# Altium PCB PCB1.PcbDoc (part 4 of 4)
Units mil, origin at the board's own origin, x right, y up, seen from the top; angles counter-clockwise.
Board outline 6000 x 4000 mil, 2 copper layers (Top Layer, Bottom Layer); 926 components, 952 nets, 4644 pads, 239 vias.
Unrouted connection lines stored in the file: 3361.
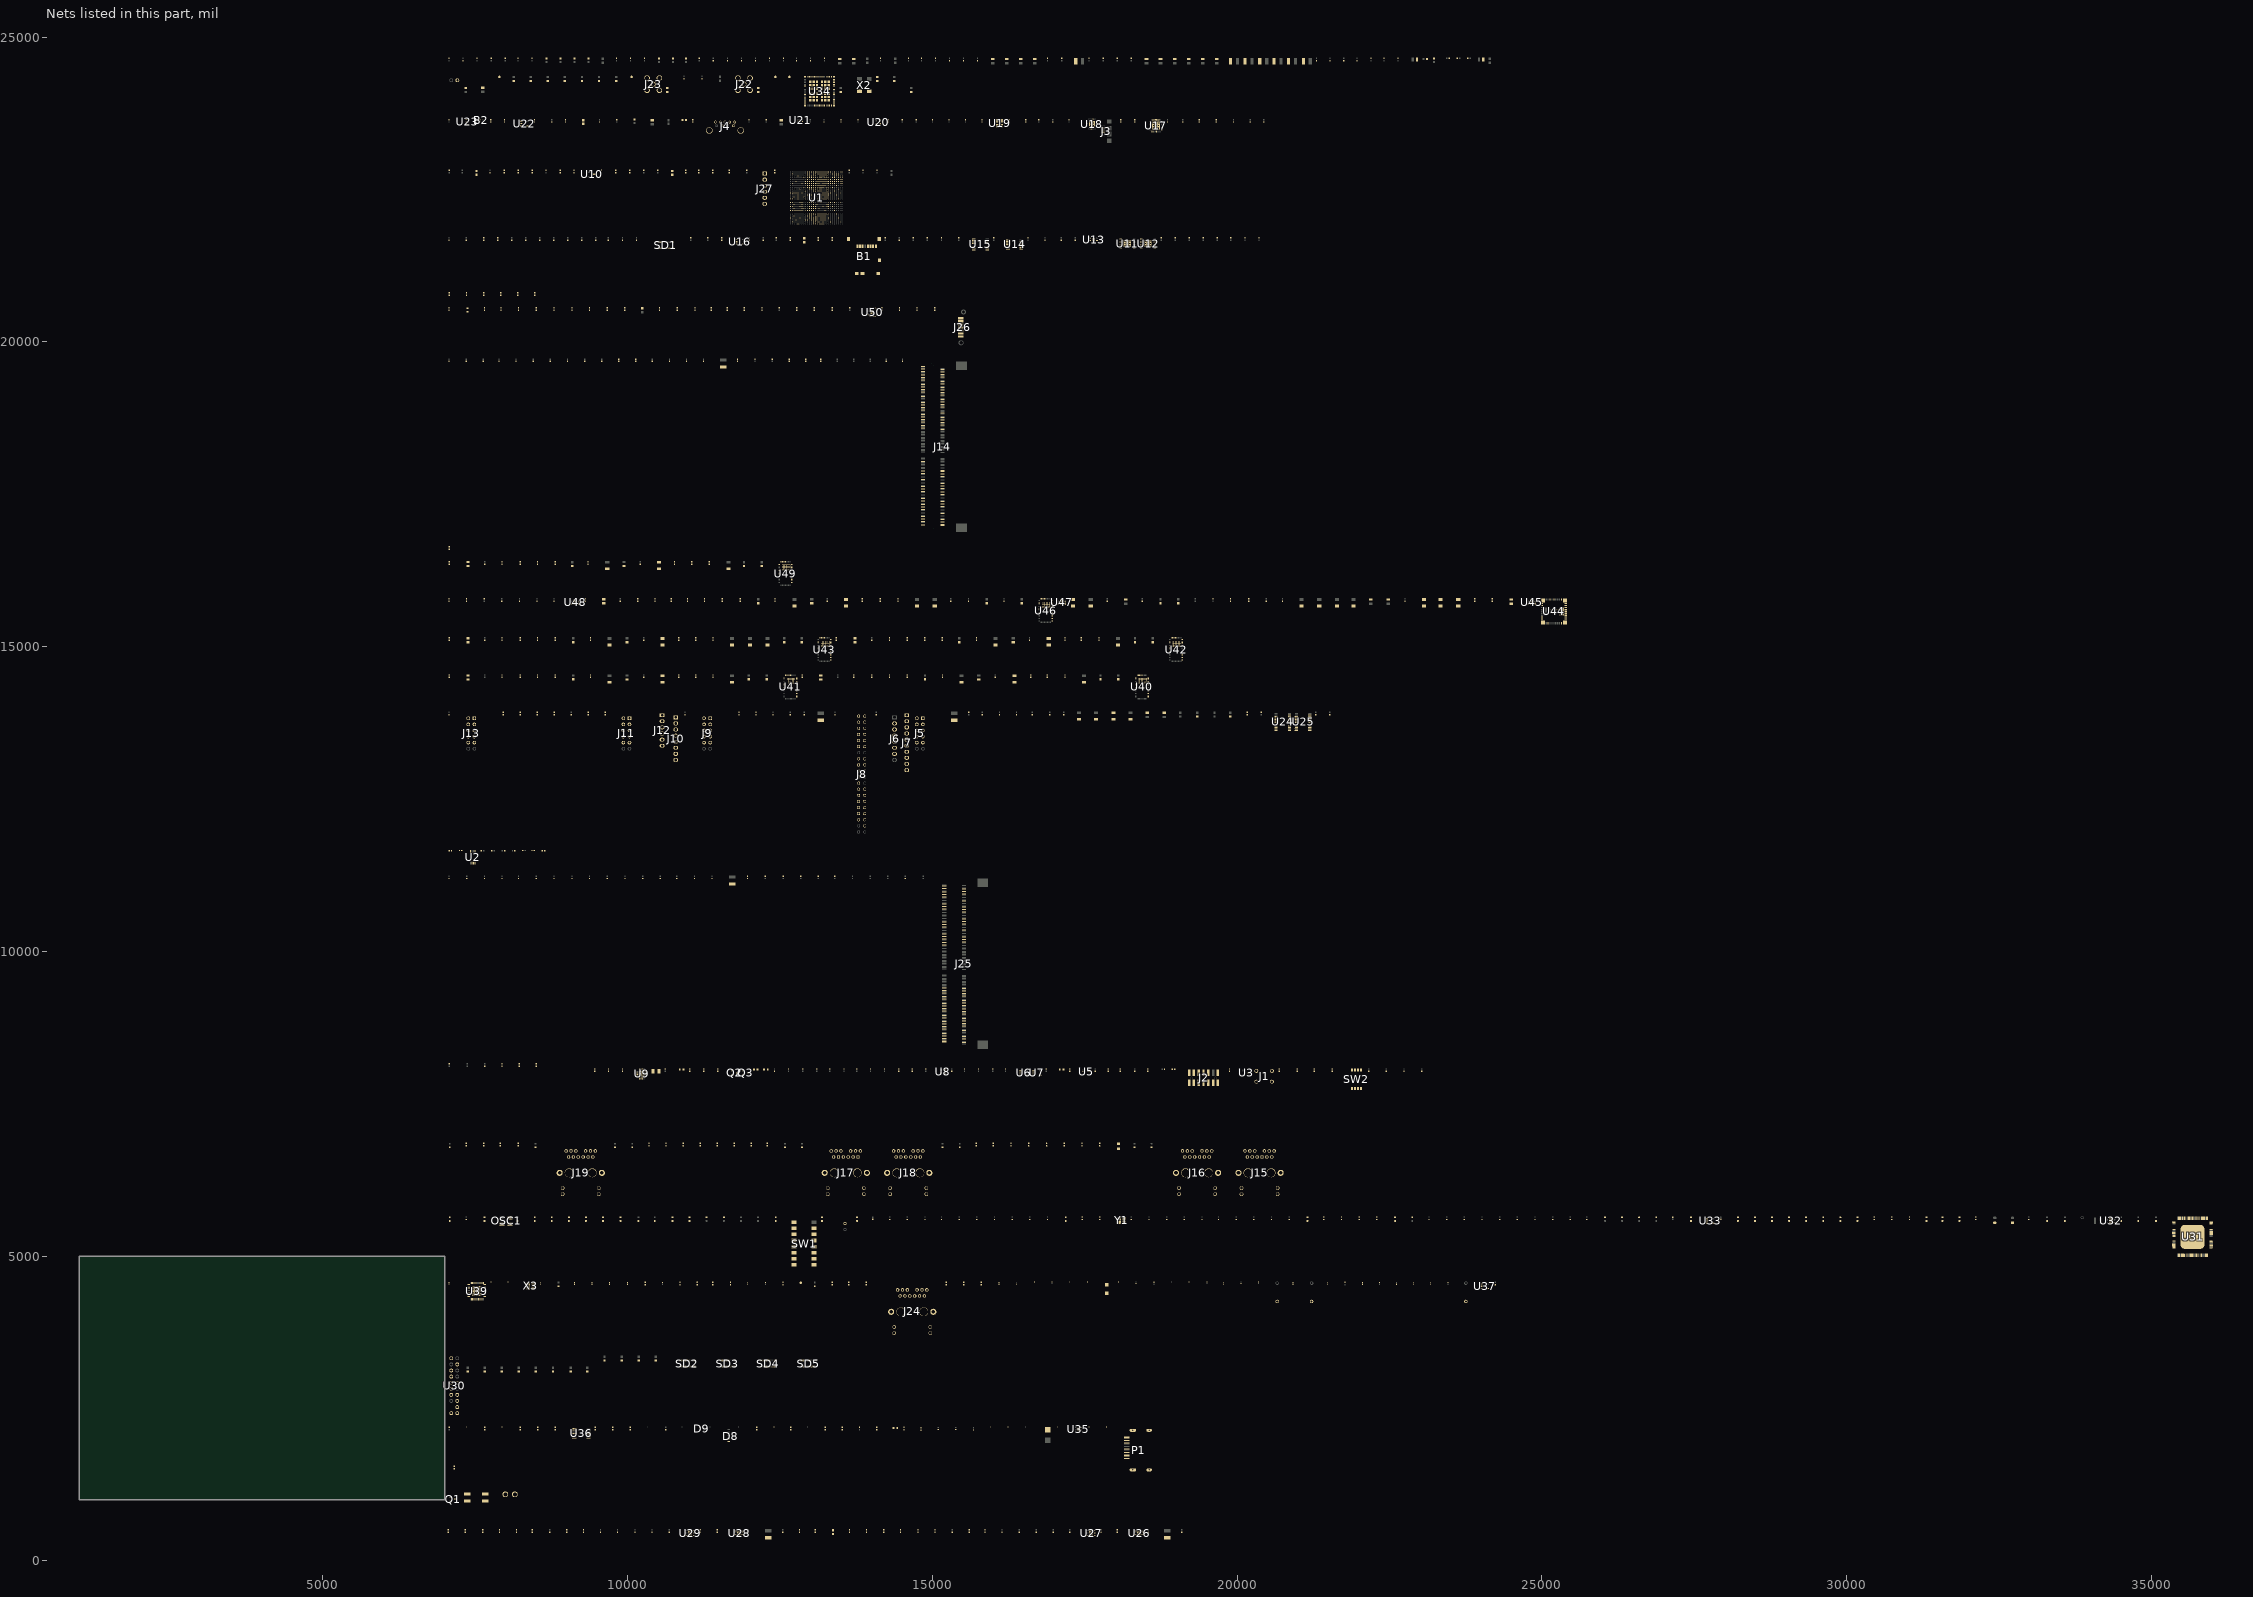
[diagram p4: the nets of this part, all layers, seen from the top]

## Via types
v1: diameter 19.68, hole 7.87, Top Layer to Bottom Layer, 119 vias
v2: diameter 23.62, hole 7.87, Top Layer to Bottom Layer, 96 vias
v3: diameter 23.62, hole 11.81, Top Layer to Bottom Layer, 14 vias
v4: diameter 19.68, hole 11.81, Top Layer to Bottom Layer, 10 vias

## Nets (pads, with @x,y where several pads share a name; then routed paths per layer and width w, separated by ;. In a path a pad name is that pad's centre, name@x,y a point inside that pad or via, vN(x,y) a via of type N, cw(c..) or ccw(c..) an arc to the next point about the centre after c; other vN are vias at no path point) (continued)
DDR4_SODIMM_SA0: J14.256 R112.1
DDR4_SODIMM_SA1: J14.260 R111.1
DDR4_SODIMM_SA2: J14.166 R110.1
DDR4_SODIMM_VREF: C158.2 J14.164 R107.1 R116.2
DDR4_SODIMM_WE_B: J14.151 U1.AB24
DDR4_VDDSPD_2V5: C2.1 C157.2 C182.2 C326.2 FB15.2 J14.255 J25.255 R4.2 R5.2 R6.2 R112.2 U2.8
DP_HPD: R197.1 U1.E13
DP_HPD_R: D9.4 P1.18 R197.2 R199.2
DP_IN: R208.1 U1.E14
DP_OE: R205.1 U1.F13
DP_OUT: R207.1 U1.G13
DP_RE_N: R205.2 U36.1 U36.8
DP_TX2_N: C286.2 D8.12 P1.6
DP_TX2_P: C284.2 D8.10 P1.4
DP_TX3_N: C283.2 D8.9 P1.3
DP_TX3_P: C282.2 D8.7 P1.1
DPAUX_C_N: C297.2 D9.2 P1.17 R209.2
DPAUX_C_P: C296.2 D9.1 P1.15 R206.2
EARTH_ETH: C312.2 FB16.2 J15.0 J16.0 J17.0 J18.0 J19.0 J24.0 R235.1
EMMC0_CLK: R75.2 SD1.8
EMMC0_RCLK: R76.2 SD1.15
EN_VCC_PSINT: R273.1 U42.39 U43.38
ETH_MD1_N: J24.10 U39.2
ETH_MD1_P: J24.11 U39.1
ETH_MD2_N: J24.5 U39.5
ETH_MD2_P: J24.4 U39.4
ETH_MD3_N: J24.2 U39.8
ETH_MD3_P: J24.3 U39.7
ETH_MD4_N: J24.9 U39.11
ETH_MD4_P: J24.8 U39.10
ETH_MISO: R166.2 U1.D14 U31.97
ETH_MOSI: R165.2 U1.D15 U31.98
ETH_PHY_GPIO0: R218.1 R220.1 U39.39
ETH_PHY_GPIO1: R221.1 R222.1 U39.40
ETH_PHY_LED0: J24.13 R217.2 R219.2 U39.46
ETH_PHY_LED1: J24.15 R213.2 R215.2 U39.45
ETH_PHY_LINK: Q1.G R224.1 R225.2 U39.47
ETH_SCLK: U1.C14 U31.101
ETH_SCS: R164.2 U1.C13 U31.100
ETH_SW_RESETN: R160.1 U1.A13 U33.1
GEM3_CLK_OUT: TP6.1 U39.18
GEM3_RST_N: U37.4 U39.43
GND: B1.6 B2.3 C1.1 C2.2 C3.1 C4.2 C5.2 C6.1 C7.1 C8.2 C9.2 C10.2 C11.1 C12.1 C13.1 C14.1 C15.1 C16.1 C17.1 C18.1 C19.1 C20.1 C21.2 C22.2 C23.2 C24.2 C25.2 C26.2 C27.2 C28.2 C29.2 C30.2 C31.2 C32.1 C33.2 C34.2 C35.2 C36.2 C37.2 C38.2 C39.2 C40.2 C41.2 C42.2 C43.2 C44.1 C45.1 C46.1 C47.2 C48.2 C49.2 C50.2 C51.2 C52.1 C53.1 C54.2 C55.2 C56.1 C57.1 C58.1 C59.1 C60.2 C61.2 C62.2 C63.2 C64.2 C65.2 C66.2 C67.2 C68.2 C69.2 C70.2 C71.2 C72.2 C73.2 C74.2 C75.2 C76.1 C77.1 C78.2 C79.2 C80.2 C81.2 C82.2 C83.2 C84.2 C85.2 C86.2 C87.2 C88.2 C89.2 C90.2 C91.2 C96.2 C98.2 C99.2 C100.2 C101.1 C102.2 C103.2 C104.2 C105.1 C106.1 C107.1 C108.2 C109.1 C110.1 C111.1 C112.1 C113.2 C114.1 C115.2 C116.2 C117.2 C118.2 C119.2 C120.2 C121.2 C122.1 C123.2 C124.2 C125.2 C126.2 C127.1 C131.2 C132.2 C133.2 C134.2 C135.1 C136.1 C137.1 C138.1 C139.1 C140.1 C141.1 C142.1 C143.1 C144.1 C145.1 C146.1 C147.1 C148.1 C149.1 C150.1 C151.1 C152.1 C153.1 C154.1 C155.1 C156.1 C157.1 C158.1 C159.1 C160.1 C161.1 C162.1 C163.1 C164.1 C165.1 C166.1 C167.1 C168.1 C169.1 C170.1 C171.1 C172.1 C173.1 C174.1 C175.1 C176.1 C177.1 C178.1 C179.1 C180.1 C181.1 C182.1 C183.1 C184.1 C185.1 C186.1 C187.1 C188.1 C189.1 C190.1 C191.1 C192.1 C193.1 C194.1 C195.1 C196.1 C197.1 C198.1 C199.1 C200.1 C201.1 C202.1 C203.2 C204.2 C205.2 C206.2 C207.2 C208.2 C209.2 C210.2 C211.2 C212.2 C213.2 C214.2 C215.2 C216.2 C217.2 C218.2 C219.2 C220.2 C221.2 C222.2 C223.1 C225.1 C226.1 C227.1 C228.2 C229.1 C230.1 C231.2 C232.2 C233.1 C234.1 C235.1 C236.1 C237.1 C238.1 C239.1 C240.1 C241.1 C242.1 C243.1 C244.1 C245.1 C246.1 C247.1 C248.1 C249.1 C250.1 C251.1 C252.1 C253.1 C254.1 C255.1 C256.1 C257.1 C258.1 C259.1 C260.1 C261.1 C262.1 C263.1 C264.1 C265.1 C266.1 C267.1 C268.1 C269.1 C270.1 C271.1 C272.1 C273.1 C274.1 C275.1 C277.1 C278.1 C280.2 C281.2 C285.1 C288.1 C289.1 C290.1 C291.1 C292.1 C293.1 C294.1 C295.1 C298.2 C299.2 C300.1 C301.2 C302.2 C303.1 C304.1 C305.2 C306.2 C307.2 C308.2 C309.2 C310.2 C311.2 C312.1 C313.2 C314.2 C315.1 C316.1 C317.1 C318.1 C319.1 C320.1 C321.1 C322.1 C323.1 C324.1 C325.1 C326.1 C327.1 C328.1 C329.1 C330.1 C331.1 C332.1 C333.1 C334.1 C335.1 C336.1 C337.1 C338.1 C339.1 C340.1 C341.1 C343.1 C344.2 C347.2 C348.1 C349.1 C350.1 C351.1 C353.1 C354.2 C357.2 C358.1 C359.1 C360.1 C361.1 C363.1 C364.2 C367.2 C368.1 C369.1 C370.1 C371.1 C373.1 C374.1 C375.1 C376.2 C379.2 C380.2 C381.1 C382.1 C383.1 C384.2 C385.2 C386.1 C387.2 C388.2 C389.1 C390.1 C391.1 C392.1 C393.1 C394.1 C396.2 C397.1 C398.1 C399.1 C400.1 C401.1 C402.1 C403.1 C405.1 C406.1 C407.1 C408.2 C409.1 C412.2 C413.1 C414.1 C415.1 C416.1 C417.1 C418.1 C419.1 C421.1 C422.2 C425.2 C434.1 C435.1 C436.1 C437.1 C438.1 C439.1 C440.1 C442.1 C444.1 C445.1 D1.2 D8.2 D8.5 D8.8 D8.11 D9.3 FB6.2 FB7.1 FB8.2 FB10.1 FB16.1 J1.1 J1.2 J2.1 J2.3 J2.5 J2.7 J2.9 J2.11 J2.13 J3.5 J4.7 J5.9 J5.10 J6.6 J6.7 J7.4 J8.6 J8.9 J8.14 J8.20 J8.25 J8.30 J8.34 J8.39 J9.9 J9.10 J11.9 J11.10 J13.9 J13.10 J14.1 J14.2 J14.5 J14.6 J14.9 J14.10 J14.14 J14.15 J14.18 J14.19 J14.22 J14.23 J14.26 J14.27 J14.30 J14.31 J14.35 J14.36 J14.39 J14.40 J14.43 J14.44 J14.47 J14.48 J14.51 J14.52 J14.56 J14.57 J14.60 J14.61 J14.64 J14.65 J14.68 J14.69 J14.72 J14.73 J14.77 J14.78 J14.81 J14.82 J14.85 J14.86 J14.89 J14.90 J14.93 J14.94 J14.98 J14.99 J14.102 J14.103 J14.106 J14.107 J14.167 J14.168 J14.171 J14.172 J14.175 J14.176 J14.180 J14.181 J14.184 J14.185 J14.188 J14.189 J14.192 J14.193 J14.196 J14.197 J14.201 J14.202 J14.205 J14.206 J14.209 J14.210 J14.213 J14.214 J14.217 J14.218 J14.222 J14.223 J14.226 J14.227 J14.230 J14.231 J14.234 J14.235 J14.238 J14.239 J14.243 J14.244 J14.247 J14.248 J14.251 J14.252 J22.2 J23.2 J25.1 J25.2 J25.5 J25.6 J25.9 J25.10 J25.14 J25.15 J25.18 J25.19 J25.22 J25.23 J25.26 J25.27 J25.30 J25.31 J25.35 J25.36 J25.39 J25.40 J25.43 J25.44 J25.47 J25.48 J25.51 J25.52 J25.56 J25.57 J25.60 J25.61 J25.64 J25.65 J25.68 J25.69 J25.72 J25.73 J25.77 J25.78 J25.81 J25.82 J25.85 J25.86 J25.89 J25.90 J25.93 J25.94 J25.98 J25.99 J25.102 J25.103 J25.106 J25.107 J25.167 J25.168 J25.171 J25.172 J25.175 J25.176 J25.180 J25.181 J25.184 J25.185 J25.188 J25.189 J25.192 J25.193 J25.196 J25.197 J25.201 J25.202 J25.205 J25.206 J25.209 J25.210 J25.213 J25.214 J25.217 J25.218 J25.222 J25.223 J25.226 J25.227 J25.230 J25.231 J25.234 J25.235 J25.238 J25.239 J25.243 J25.244 J25.247 J25.248 J25.251 J25.252 J26.1 J26.4 J26.7 J27.3 J27.6 OSC1.3 P1.2 P1.5 P1.8 P1.11 P1.16 P2.2 Q1.S Q2.S Q3.S R18.2 R29.2 R31.2 R32.2 R37.2 R38.2 R59.2 R64.1 R76.1 R79.2 R81.2 R83.2 R87.1 R89.1 R92.1 R108.2 R109.2 R110.2 R111.2 R116.1 R118.2 R123.1 R125.2 R130.1 R131.1 R149.1 R156.2 R157.2 R158.2 R159.2 R161.2 R169.1 R171.2 R183.1 R184.1 R193.1 R194.1 R195.1 R198.1 R199.1 R200.1 R202.1 R206.1 R212.2 R215.1 R216.2 R219.1 R220.2 R222.2 R225.1 R234.1 R235.2 R243.1 R246.2 R248.2 R249.2 R250.2 R251.2 R252.2 R256.1 R260.1 R262.2 R266.1 R268.2 R272.1 R274.2 R278.1 R280.2 R282.1 R290.1 R292.1 R294.2 R298.1 R302.1 R304.2 R306.1 R311.1 R312.1 R326.2 R327.2 R328.2 R329.2 SD1.1 SD1.3 SD1.5 SD1.7 SD1.9 SD1.11 SD1.13 SD1.14 SD1.16 SD1.17 SD1.18 SD1.19 SD1.24 SD1.26 SD1.28 SD1.30 SD1.32 SD1.34 SD2.1 SD2.3 SD2.5 SD2.7 SD2.9 SD2.11 SD2.13 SD2.14 SD2.16 SD2.17 SD2.18 SD2.19 SD2.24 SD2.26 SD2.28 SD2.30 SD2.32 SD2.34 SD3.1 SD3.3 SD3.5 SD3.7 SD3.9 SD3.11 SD3.13 SD3.14 SD3.16 SD3.17 SD3.18 SD3.19 SD3.24 SD3.26 SD3.28 SD3.30 SD3.32 SD3.34 SD4.1 SD4.3 SD4.5 SD4.7 SD4.9 SD4.11 SD4.13 SD4.14 SD4.16 SD4.17 SD4.18 SD4.19 SD4.24 SD4.26 SD4.28 SD4.30 SD4.32 SD4.34 SD5.1 SD5.3 SD5.5 SD5.7 SD5.9 SD5.11 SD5.13 SD5.14 SD5.16 SD5.17 SD5.18 SD5.19 SD5.24 SD5.26 SD5.28 SD5.30 SD5.32 SD5.34 SW1.9 SW1.10 SW1.11 SW1.12 SW1.13 SW1.14 SW1.15 U1.A20 U1.A24 U1.A27 U1.A28 U1.AA1 U1.AA2 U1.AA3 U1.AA4 U1.AA5 U1.AA6 U1.AA9 U1.AA19 U1.AA24 U1.AB12 U1.AB27 U1.AC15 U1.AC20 U1.AC25 U1.AD3 U1.AD18 U1.AE1 U1.AE6 U1.AE11 U1.AE21 U1.AE26 U1.AF4 U1.AF9 U1.AF14 U1.AF19 U1.AG2 U1.AG22 U1.AG27 U1.AH5 U1.B2 U1.B17 U1.B21 U1.B25 U1.B26 U1.C5 U1.C10 U1.C20 U1.C24 U1.C27 U1.C28 U1.D8 U1.D13 U1.D21 U1.D26 U1.E16 U1.E20 U1.E24 U1.E27 U1.E28 U1.F4 U1.F9 U1.F19 U1.F21 U1.F25 U1.F26 U1.G2 U1.G7 U1.G12 U1.G22 U1.G23 U1.G24 U1.G27 U1.G28 U1.H10 U1.H15 U1.H25 U1.J8 U1.J13 U1.J18 U1.J23 U1.K6 U1.K11 U1.K16 U1.K21 U1.K26 U1.L9 U1.L24 U1.M1 U1.M2 U1.M3 U1.M4 U1.M5 U1.M7 U1.M22 U1.M27 U1.N5 U1.N10 U1.N12 U1.N14 U1.N20 U1.N25 U1.P3 U1.P5 U1.P8 U1.P11 U1.R1 U1.R2 U1.R5 U1.R15 U1.R21 U1.R26 U1.T3 U1.T5 U1.T9 U1.T10 U1.T14 U1.T19 U1.U1 U1.U2 U1.U6 U1.U11 U1.U17 U1.U21 U1.U22 U1.U27 U1.V3 U1.V7 U1.V13 U1.V15 U1.V20 U1.V21 U1.W1 U1.W2 U1.W6 U1.W18 U1.W21 U1.W23 U1.Y3 U1.Y7 U1.Y11 U1.Y16 U1.Y21 U2.4 U5.2 U5.5 U6.3 U7.3 U8.2 U9.4 U9.5 U9.17 U11.4 U11.9 U12.4 U12.9 U13.1 U13.2 U13.3 U13.4 U13.7 U13.9 U14.1 U14.2 U14.7 U15.1 U15.2 U15.3 U15.8 U16.3 U17.33 U18.2 U18.25 U19.1 U20.2 U21.3 U22.3 U23.3 U23.8 U24.12 U25.12 U26.4 U26.8 U26.11 U27.4 U27.8 U27.11 U28.4 U28.8 U28.11 U29.4 U29.8 U29.11 U30.2 U30.12 U30.17 U31.46 U31.47 U31.69 U31.75 U31.77 U31.80 U31.107 U31.109 U31.123 U31.EP U32.8 U32.12 U32.13 U33.3 U34.1 U34.7 U34.9 U34.15 U34.16 U34.17 U34.19 U34.20 U34.23 U34.24 U34.28 U34.29 U34.30 U34.31 U34.33 U34.34 U34.35 U34.37 U34.39 U34.44 U34.45 U34.48 U34.49 U34.54 U34.55 U34.59 U34.61 U34.63 U34.64 U34.G1 U34.G2 U34.G3 U34.G4 U34.G5 U34.G6 U34.G7 U34.G8 U34.G9 U34.G10 U34.G11 U34.G12 U34.G13 U34.G14 U34.G15 U34.G16 U34.G17 U34.G18 U34.G19 U34.G20 U34.G21 U34.G22 U34.G23 U34.G24 U34.G25 U34.G26 U34.G27 U34.G28 U34.G29 U34.G30 U34.G31 U34.G32 U34.G33 U34.G34 U34.G35 U34.G36 U35.2 U35.4 U35.9 U36.7 U37.3 U39.49 U40.21 U40.22 U40.23 U40.24 U40.25 U40.26 U40.27 U40.46 U40.55 U41.21 U41.22 U41.23 U41.24 U41.25 U41.26 U41.27 U41.46 U41.55 U42.21 U42.22 U42.23 U42.24 U42.25 U42.26 U42.27 U42.46 U42.55 U43.21 U43.22 U43.23 U43.24 U43.25 U43.26 U43.27 U43.46 U43.55 U44.20 U44.21 U44.31 U44.32 U44.33 U45.4 U45.8 U45.11 U46.21 U46.22 U46.23 U46.24 U46.25 U46.26 U46.27 U46.46 U46.55 U47.4 U47.8 U47.11 U48.4 U48.8 U48.11 U49.21 U49.22 U49.23 U49.24 U49.25 U49.26 U49.27 U49.46 U49.55 U50.25 X2.2 X3.2 X3.4 Y1.2
  other v1: 11025,421.22 17605,421.22 11005.71,454.69 11044.29,454.69 17585.71,454.69 17624.29,454.69 11025,488.15 17605,488.15 7460.04,4360.04 7503.35,4360.04 7546.65,4360.04 7589.96,4360.04 7460.04,4403.35 7503.35,4403.35 7546.65,4403.35 7589.96,4403.35 7460.04,4446.65 7503.35,4446.65 7546.65,4446.65 7589.96,4446.65 7460.04,4489.96 7503.35,4489.96 7546.65,4489.96 7589.96,4489.96 10208.35,7968.35 10251.65,7968.35 10208.35,8011.65 10251.65,8011.65 12621.18,14400.14 12739.29,14400.14 18391.18,14400.14 18509.29,14400.14 12621.18,14423.76 12739.29,14423.76 18391.18,14423.76 18509.29,14423.76 12621.18,14447.38 12739.29,14447.38 18391.18,14447.38 18509.29,14447.38 12621.18,14471 12739.29,14471 18391.18,14471 18509.29,14471 13181.18,15010.14 13299.29,15010.14 18951.18,15010.14 19069.29,15010.14 13181.18,15033.76 13299.29,15033.76 18951.18,15033.76 19069.29,15033.76 13181.18,15057.38 13299.29,15057.38 18951.18,15057.38 19069.29,15057.38 13181.18,15081 13299.29,15081 18951.18,15081 19069.29,15081 16811.18,15650.14 16929.29,15650.14 16811.18,15673.76 16929.29,15673.76 9140,15696.54 16811.18,15697.38 16929.29,15697.38 17125,15696.54 24835,15696.54 16811.18,15721 16929.29,15721 9120.71,15730 9159.29,15730 17105.71,15730 17144.29,15730 24815.71,15730 24854.29,15730 9140,15763.46 17125,15763.46 24835,15763.46 12541.18,16260.14 12659.29,16260.14 12541.18,16283.76 12659.29,16283.76 12541.18,16307.38 12659.29,16307.38 12541.18,16331 12659.29,16331 18160.63,21575.63 18200,21575.63 18239.37,21575.63 18500.63,21575.63 18540,21575.63 18579.37,21575.63 18160.63,21615 18200,21615 18239.37,21615 18500.63,21615 18540,21615 18579.37,21615 18160.63,21654.37 18200,21654.37 18239.37,21654.37 18500.63,21654.37 18540,21654.37 18579.37,21654.37 18626.69,23506.69 18670,23506.69 18713.31,23506.69 18626.69,23550 18670,23550 18713.31,23550 17598.35,23553.35 17641.65,23553.35 18626.69,23593.31 18670,23593.31 18713.31,23593.31 17598.35,23596.65 17641.65,23596.65
  other v2: 12644.8,14400.14 12668.43,14400.14 12692.05,14400.14 12715.67,14400.14 18414.8,14400.14 18438.43,14400.14 18462.05,14400.14 18485.67,14400.14 12644.8,14423.76 12668.43,14423.76 12692.05,14423.76 12715.67,14423.76 18414.8,14423.76 18438.43,14423.76 18462.05,14423.76 18485.67,14423.76 12644.8,14447.38 12668.43,14447.38 12692.05,14447.38 12715.67,14447.38 18414.8,14447.38 18438.43,14447.38 18462.05,14447.38 18485.67,14447.38 12644.8,14471 12668.43,14471 12692.05,14471 12715.67,14471 18414.8,14471 18438.43,14471 18462.05,14471 18485.67,14471 13204.8,15010.14 13228.43,15010.14 13252.05,15010.14 13275.67,15010.14 18974.8,15010.14 18998.43,15010.14 19022.05,15010.14 19045.67,15010.14 13204.8,15033.76 13228.43,15033.76 13252.05,15033.76 13275.67,15033.76 18974.8,15033.76 18998.43,15033.76 19022.05,15033.76 19045.67,15033.76 13204.8,15057.38 13228.43,15057.38 13252.05,15057.38 13275.67,15057.38 18974.8,15057.38 18998.43,15057.38 19022.05,15057.38 19045.67,15057.38 13204.8,15081 13228.43,15081 13252.05,15081 13275.67,15081 18974.8,15081 18998.43,15081 19022.05,15081 19045.67,15081 16834.8,15650.14 16858.43,15650.14 16882.05,15650.14 16905.67,15650.14 16834.8,15673.76 16858.43,15673.76 16882.05,15673.76 16905.67,15673.76 16834.8,15697.38 16858.43,15697.38 16882.05,15697.38 16905.67,15697.38 16834.8,15721 16858.43,15721 16882.05,15721 16905.67,15721 12564.8,16260.14 12588.43,16260.14 12612.05,16260.14 12635.67,16260.14 12564.8,16283.76 12588.43,16283.76 12612.05,16283.76 12635.67,16283.76 12564.8,16307.38 12588.43,16307.38 12612.05,16307.38 12635.67,16307.38 12564.8,16331 12588.43,16331 12612.05,16331 12635.67,16331
  other v4: 11810.32,420.16 11849.69,420.16 18375.32,420.16 18414.69,420.16 11830,449.69 18395,449.69 11810.32,479.21 11849.69,479.21 18375.32,479.21 18414.69,479.21
GND_SYSMON: C92.2 C93.2 C94.2 C97.1 FB6.1 FB7.2 R41.2 U1.P13 U1.R12 U1.W20 U10.3
GPIO_0: J5.1 J7.1 J8.3 U24.4
GPIO_1: J5.3 J7.2 J8.5 U24.5
GPIO_2: J5.5 J7.5 J8.7 U24.6
GPIO_3: J5.7 J7.6 J8.29 U24.7
GPIO_4: J5.2 J7.7 J8.31 U24.8
GPIO_5: J5.4 J7.8 J8.26 U24.9
GPIO_6: J5.6 J7.9 J8.24 U24.10
GPIO_7: J5.8 J7.10 J8.21 U24.11
GPIO_8: J8.19 J9.1 J10.1 U24.13
GPIO_9: J8.23 J9.3 J10.2 U24.14
GPIO_10: J8.32 J9.5 J10.3 U24.15
GPIO_11: J8.33 J9.7 J10.4 U24.16
GPIO_12: J8.8 J9.2 J10.5 U24.17
GPIO_13: J8.10 J9.4 J10.6 U24.18
GPIO_14: J8.36 J9.6 J10.7 U24.19
GPIO_15: J8.11 J9.8 J10.8 U24.20
GPIO_16: J8.12 J11.1 R101.1 U25.4
GPIO_17: J8.35 J11.3 R102.1 U25.5
GPIO_18: J8.38 J11.5 R103.1 U25.6
GPIO_19: J8.40 J11.7 R104.1 U25.7
GPIO_20: J8.15 J11.2 R105.1 U25.8
GPIO_21: J8.16 J11.4 R106.1 U25.9
GPIO_22: J6.3 J8.18 J11.6 R97.1 U25.10
GPIO_23: J8.22 J11.8 U25.11
GPIO_24: J8.37 J13.1 U25.13
GPIO_25: J8.13 J13.3 U25.14
GPIO_26: J13.5 U25.15
GPIO_27: J13.7 U25.16
GPIO_28: J13.2 U25.17
GPIO_29: J13.4 U25.18
GPIO_30: J13.6 U25.19
GPIO_31: J13.8 U25.20
GRXCK: R150.2 U1.J16
GRXCTL: R151.2 U1.J17
GRXD0: R155.2 R159.1 R172.1 U1.L16
GRXD1: R154.2 R158.1 U1.L17
GRXD2: R153.2 R157.1 U1.H17
GRXD3: R152.2 R156.1 U1.K17
GTR_REFCLK0_C_N: C431.1 U1.F24
GTR_REFCLK0_C_P: C430.1 U1.F23
GTR_REFCLK0_N: C431.2 U50.19
GTR_REFCLK0_P: C430.2 U50.20
GTR_REFCLK1_C_N: C433.1 U1.E22
GTR_REFCLK1_C_P: C432.1 U1.E21
GTR_REFCLK1_N: C433.2 U50.16
GTR_REFCLK1_P: C432.2 U50.17
GTR_REFCLK3_C_N: C443.1 U1.A22
GTR_REFCLK3_C_P: C441.1 U1.A21
GTR_REFCLK3_N: C443.2 U50.13
GTR_REFCLK3_P: C441.2 U50.14
GTR_RX0_N: J4.5 U1.F28 U23.2 U23.9
GTR_RX0_P: J4.6 U1.F27 U23.1 U23.10
GTR_RX1_N: C428.1 U1.D28
GTR_RX1_P: C429.1 U1.D27
GTR_TX0_N: C129.1 U1.E26
GTR_TX0_P: C130.1 U1.E25
GTR_TX1_N: C427.1 U1.D24
GTR_TX1_P: C426.1 U1.D23
GTR_TX2_N: C286.1 U1.C26
GTR_TX2_P: C284.1 U1.C25
GTR_TX3_N: C283.1 U1.B24
GTR_TX3_P: C282.1 U1.B23
GTXCK: U1.L15 U31.48
GTXCTL: U1.H16 U31.49
GTXD0: U1.J15 U31.55
GTXD1: U1.K15 U31.54
GTXD2: U1.G16 U31.53
GTXD3: U1.F16 U31.52
I2CMUX_RST_N: U14.3 U16.4
IBA_EN: SW1.1 U31.67
ID: U1.G15 U30.14
INTRP_N: R163.2 U1.A14 U31.94
ISET: R169.2 U31.127
JTAG_INIT: J2.14 R7.1
JTAG_TCK: J2.6 R11.1 U1.R19
JTAG_TDI: J2.10 U1.R18
JTAG_TDO: J2.8 U1.T21
JTAG_TMS: J2.4 U1.N21
LAD0: U1.H13 U30.11
LAD1: U1.G14 U30.10
LAD2: U1.H14 U30.8
LAD3: U1.K14 U30.7
LCLK: U1.L13 U30.1
LED1_0: J16.13 R175.1 U31.105
LED1_1: J16.15 R176.1 U31.106
LED2_0: J17.13 R173.1 U31.91
LED2_1: J17.15 R177.1 U31.92
LED3_0: J19.13 U31.88
LED3_1: J19.15 U31.89
LED4_0: J15.13 R174.1 U31.85
LED4_1: J15.15 R178.1 U31.86
LED5_0: J18.13 U31.102
LED5_1: J18.15 R179.1 U31.103
LFRAME: U1.L14 U30.3
LRESET: U1.J14 U30.5
MGTRAVCC_GOOD: R303.1 U40.38 U41.38 U45.5 U49.39
MIO0_QSPI0_SCLK: U1.AG15 U11.6
MIO1_QSPI0_IO1: U1.AG16 U11.2
MIO2_QSPI0_IO2: R44.2 U1.AF15 U11.3
MIO3_QSPI0_IO3: R45.2 U1.AH15 U11.7
MIO4_QSPI0_IO0: U1.AH16 U11.5
MIO5_QSPI0_SS_B: R43.2 U1.AD16 U11.1
MIO7_QSPI1_SS_B: R46.2 U1.AH17 U12.1
MIO8_QSPI1_IO0: U1.AF17 U12.5
MIO9_QSPI1_IO1: U1.AC16 U12.2
MIO10_QSPI1_IO2: R47.2 U1.AD17 U12.3
MIO11_QSPI1_IO3: R48.2 U1.AE17 U12.7
MIO12_QSPI1_SCLK: U1.AC17 U12.6
MIO13_EMMC0_IO0: R65.1 SD1.6 U1.AH18
MIO14_EMMC0_IO1: R66.1 SD1.29 U1.AG18
MIO15_EMMC0_IO2: R67.1 SD1.27 U1.AE18
MIO16_EMMC0_IO3: R68.1 SD1.10 U1.AF18
MIO17_EMMC0_IO4: R69.1 SD1.4 U1.AC18
MIO18_EMMC0_IO5: R70.1 SD1.2 U1.AC19
MIO19_EMMC0_IO6: R71.1 SD1.33 U1.AE19
MIO20_EMMC0_IO7: R72.1 SD1.31 U1.AD19
MIO21_EMMC0_CMD: R74.1 SD1.25 U1.AC21
MIO22_EMMC0_CLK: R75.1 U1.AB20
MIO23_INT_N: U1.AB18 U15.13
MIO24_I2C1_SCL: R49.1 U1.AB19 U13.6 U14.12 U15.14
MIO25_I2C1_SDA: R50.1 U1.AB21 U13.5 U14.13 U15.15
MIO52_USB0_CLK: U1.G18 U17.1
MIO53_USB0_DIR: U1.D16 U17.31
MIO54_USB0_D2: U1.F17 U17.5
MIO55_USB0_NXT: U1.B16 U17.2
MIO56_USB0_D0: U1.C16 U17.3
MIO57_USB0_D1: U1.A16 U17.4
MIO58_USB0_STP: U1.F18 U17.29
MIO59_USB0_D3: U1.E17 U17.6
MIO60_USB0_D4: U1.C17 U17.7
MIO61_USB0_D5: U1.D17 U17.9
MIO62_USB0_D6: U1.A17 U17.10
MIO63_USB0_D7: U1.E18 U17.13
MIO64_GEM3_TX_CLK: R226.1 U1.E19
MIO64_GEM3_TX_CLK_1: R226.2 U39.29
MIO65_GEM3_TX_D0: R231.1 U1.A18
MIO65_GEM3_TX_D0_1: R231.2 U39.28
MIO66_GEM3_TX_D1: R230.1 U1.G19
MIO66_GEM3_TX_D1_1: R230.2 U39.27
MIO67_GEM3_TX_D2: R229.1 U1.B18
MIO67_GEM3_TX_D2_1: R229.2 U39.26
MIO68_GEM3_TX_D3: R228.1 U1.C18
MIO68_GEM3_TX_D3_1: R228.2 U39.25
MIO69_GEM3_TX_CTL: R227.1 U1.D19
MIO69_GEM3_TX_CTL_1: R227.2 U39.37
MIO70_GEM3_RX_CLK: U1.C19 U39.32
MIO71_GEM3_RX_D0: R211.1 R212.1 U1.B19 U39.33
MIO72_GEM3_RX_D1: U1.G20 U39.34
MIO73_GEM3_RX_D2: R214.1 R216.1 U1.G21 U39.35
MIO74_GEM3_RX_D3: U1.D20 U39.36
MIO75_GEM3_RX_CTL: R233.2 R234.2 U1.A19 U39.38
MIO76_GEM3_MDC: U1.B20 U39.16
MIO77_GEM3_MDIO: R236.2 U1.F20 U39.17
NetB1_9: B1.9 R58.1
NetB1_10: B1.10 R59.1
NetB1_MP: B1.MP FB8.1
NetC3_2: C3.2 R6.1 U2.5
NetC79_1: C79.1 R11.2
NetC87_1: C87.1 U9.16
NetC88_1: C88.1 U9.15
NetC89_1: C89.1 U9.14
NetC108_1: C108.1 C109.2 R77.1 U17.28 U17.30
NetC115_1: C115.1 U18.16
NetC120_1: C120.1 R84.2 U20.1
NetC131_1: C131.1 J4.MH1 J4.MH2 R89.2
NetC146_2: C146.2 J6.5 R100.1
NetC147_2: C147.2 J6.4 R99.1
NetC170_2: C170.2 R117.1 R118.1 U26.1
NetC179_2: C179.2 U27.6
NetC184_2: C184.2 R124.1 R125.1 U28.1
NetC193_2: C193.2 U29.6
NetC203_1: C203.1 J15.12
NetC204_1: C204.1 J16.12
NetC205_1: C205.1 J15.6
NetC206_1: C206.1 J16.6
NetC207_1: C207.1 J15.1
NetC208_1: C208.1 J16.1
NetC209_1: C209.1 J15.7
NetC210_1: C210.1 J16.7
NetC211_1: C211.1 J17.12
NetC212_1: C212.1 J18.12
NetC213_1: C213.1 J17.6
NetC214_1: C214.1 J18.6
NetC215_1: C215.1 J17.1
NetC216_1: C216.1 J18.1
NetC217_1: C217.1 J17.7
NetC218_1: C218.1 J18.7
NetC219_1: C219.1 J19.12
NetC220_1: C220.1 J19.6
NetC221_1: C221.1 J19.1
NetC222_1: C222.1 J19.7
NetC224_1: C224.1 R148.1 R149.2 U32.6
NetC228_1: C228.1 R147.1 U32.4
NetC229_2: C229.2 U32.7
NetC230_2: C230.2 C231.1 R146.1 U32.9
NetC258_2: C258.2 R168.2 Y1.1
NetC276_1: C276.1 U34.32
NetC276_2: C276.2 J22.1
NetC279_1: C279.1 U34.18
NetC279_2: C279.2 J23.1
NetC287_1: C287.1 U35.7
NetC287_2: C287.2 D6.2 U35.8
NetC296_1: C296.1 R204.1 U36.10 U36.12
NetC297_1: C297.1 R203.1 U36.9 U36.11
NetC310_1: C310.1 J24.12
NetC311_1: C311.1 J24.6
NetC313_1: C313.1 J24.1
NetC314_1: C314.1 J24.7
NetC315_2: C315.2 U39.15 X3.1
NetC316_2: C316.2 U39.14 X3.3
NetC340_2: C340.2 C341.2 C342.2 FB22.1 FB23.1 FB24.1 R258.2 U40.10 U40.11 U40.12 U40.13 U40.14 U40.15 U40.16 U40.17
NetC342_1: C342.1 R259.2
NetC344_1: C344.1 R257.1 U40.47
NetC345_1: C345.1 U40.32
NetC345_2: C345.2 U40.33
NetC346_1: C346.1 U40.34
NetC346_2: C346.2 U40.35
NetC347_1: C347.1 U40.43
NetC350_2: C350.2 C351.2 C352.2 FB25.1 FB26.1 FB27.1 R264.2 U41.10 U41.11 U41.12 U41.13 U41.14 U41.15 U41.16 U41.17
NetC352_1: C352.1 R265.2
NetC354_1: C354.1 R263.1 U41.47
NetC355_1: C355.1 U41.32
NetC355_2: C355.2 U41.33
NetC356_1: C356.1 U41.34
NetC356_2: C356.2 U41.35
NetC357_1: C357.1 U41.43
NetC360_2: C360.2 C361.2 C362.2 FB28.1 FB29.1 FB30.1 R270.2 U42.10 U42.11 U42.12 U42.13 U42.14 U42.15 U42.16 U42.17
NetC362_1: C362.1 R271.2
NetC364_1: C364.1 R269.1 U42.47
NetC365_1: C365.1 U42.32
NetC365_2: C365.2 U42.33
NetC366_1: C366.1 U42.34
NetC366_2: C366.2 U42.35
NetC367_1: C367.1 U42.43
NetC370_2: C370.2 C371.2 C372.2 FB31.1 FB32.1 FB33.1 R276.2 U43.10 U43.11 U43.12 U43.13 U43.14 U43.15 U43.16 U43.17
NetC372_1: C372.1 R277.2
NetC376_1: C376.1 R275.1 U43.47
NetC377_1: C377.1 U43.32
NetC377_2: C377.2 U43.33
NetC378_1: C378.1 U43.34
NetC378_2: C378.2 U43.35
NetC379_1: C379.1 U43.43
NetC394_2: C394.2 U45.6
NetC395_2: C395.2 U44.28
NetC402_2: C402.2 C403.2 C404.2 FB36.1 FB37.1 FB38.1 R287.2 U46.10 U46.11 U46.12 U46.13 U46.14 U46.15 U46.16 U46.17
NetC404_1: C404.1 R289.2
NetC408_1: C408.1 R286.1 U46.47
NetC409_2: C409.2 U47.6
NetC410_1: C410.1 U46.32
NetC410_2: C410.2 U46.33
NetC411_1: C411.1 U46.34
NetC411_2: C411.2 U46.35
NetC412_1: C412.1 U46.43
NetC415_2: C415.2 U48.6
NetC418_2: C418.2 C419.2 C420.2 FB39.1 FB40.1 FB41.1 R300.2 U49.10 U49.11 U49.12 U49.13 U49.14 U49.15 U49.16 U49.17
NetC420_1: C420.1 R301.2
NetC422_1: C422.1 R299.1 U49.47
NetC423_1: C423.1 U49.32
NetC423_2: C423.2 U49.33
NetC424_1: C424.1 U49.34
NetC424_2: C424.2 U49.35
NetC425_1: C425.1 U49.43
NetD1_1: D1.1 R13.1
NetD2_1: D2.1 R23.2
NetD2_2: D2.2 Q2.D
NetD3_1: D3.1 R24.2
NetD3_2: D3.2 Q3.D
NetD4_1: D4.1 R25.1
NetD5_1: D5.1 R86.2
NetD5_2: D5.2 U21.2
NetD7_1: D7.1 R196.2
NetD7_2: D7.2 U35.5
NetD10_1: D10.1 R223.2
NetD10_2: D10.2 Q1.D
NetJ2_2: J2.2 U3.3
NetJ6_2: J6.2 R96.2
NetJ7_3: J7.3 R98.1
NetJ12_1: J12.1 R101.2
NetJ12_2: J12.2 R102.2
NetJ12_3: J12.3 R103.2
NetJ12_4: J12.4 R104.2
NetJ12_5: J12.5 R105.2
NetJ12_6: J12.6 R106.2
NetJ15_14: J15.14 R136.1
NetJ15_16: J15.16 R138.1
NetJ16_14: J16.14 R137.1
NetJ16_16: J16.16 R139.1
NetJ17_14: J17.14 R140.1
NetJ17_16: J17.16 R142.1
NetJ18_14: J18.14 R141.1
NetJ18_16: J18.16 R143.1
NetJ19_14: J19.14 R144.1
NetJ19_16: J19.16 R145.1
NetJ20_2: J20.2 R172.2
NetJ21_2: J21.2 U34.46 U34.47
NetJ24_14: J24.14 R232.1
NetJ24_16: J24.16 R241.1
NetOSC1_1: OSC1.1 R180.1
NetOSC1_4: OSC1.4 R181.1
NetP1_13: P1.13 R194.2
NetP1_14: P1.14 R195.2
NetP1_19: P1.19 R198.2
NetR13_2: R13.2 U5.3
NetR15_1: R15.1 R18.1 U9.2 U9.3
NetR16_2: R16.2 U8.1
NetR17_1: R17.1 U8.3
NetR26_2: R26.2 U9.13
NetR52_2: R52.2 U14.4
NetR53_2: R53.2 U14.9
NetR54_2: R54.2 U14.10
NetR56_2: R56.2 U14.8
NetR78_2: R78.2 R79.1 U18.8
NetR80_2: R80.2 U18.9
NetR82_1: R82.1 U17.26
NetR82_2: R82.2 U20.3
NetR83_1: R83.1 U17.24
NetR87_2: R87.2 U21.5
NetR92_2: R92.2 U24.21
NetR93_2: R93.2 U25.21
NetR94_1: R94.1 U24.3
NetR95_1: R95.1 U25.3
NetR121_1: R121.1 R123.2 U27.7
NetR128_1: R128.1 R130.2 U29.7
NetR150_1: R150.1 U31.57
NetR151_1: R151.1 U31.58
NetR152_1: R152.1 U31.62
NetR153_1: R153.1 U31.63
NetR154_1: R154.1 U31.64
NetR155_1: R155.1 U31.65
NetR161_1: R161.1 U31.76
NetR167_1: R167.1 U31.95
NetR170_1: R170.1 R171.1 Y1.4
NetR173_2: R173.2 SW1.2
NetR174_2: R174.2 SW1.3
NetR175_2: R175.2 SW1.4
NetR176_2: R176.2 SW1.5
NetR177_2: R177.2 SW1.6
NetR178_2: R178.2 SW1.7
NetR179_2: R179.2 SW1.8
NetR192_1: R192.1 R193.2 U35.6
NetR201_1: R201.1 R202.2 R203.2 R204.2
NetR207_2: R207.2 U36.2
NetR208_2: R208.2 U36.4
NetR237_1: R237.1 U39.20
NetR238_1: R238.1 U39.21
NetR239_1: R239.1 U39.22
NetR240_1: R240.1 U39.23
NetR243_2: R243.2 U39.12
NetR244_1: R244.1 U1.Y8
NetR258_1: R258.1 R259.1 R260.2 U40.44
NetR262_1: R262.1 U40.36
NetR264_1: R264.1 R265.1 R266.2 U41.44
NetR268_1: R268.1 U41.36
NetR270_1: R270.1 R271.1 R272.2 U42.44
NetR274_1: R274.1 U42.36
NetR276_1: R276.1 R277.1 R278.2 U43.44
NetR280_1: R280.1 U43.36
NetR281_1: R281.1 R282.2 U45.7
NetR284_1: R284.1 U44.26
NetR285_1: R285.1 U44.22
NetR287_1: R287.1 R289.1 R291.2 U46.44
NetR288_1: R288.1 R290.2 U47.7
NetR291_1: R291.1 R292.2
NetR294_1: R294.1 U46.36
NetR295_1: R295.1 R298.2 U48.7
NetR296_1: R296.1 R297.2 U48.5
NetR300_1: R300.1 R301.1 R302.2 U49.44
NetR304_1: R304.1 U49.36
NetR305_2: R305.2 R307.1 U50.8
NetR306_2: R306.2 U1.F22
NetR308_1: R308.1 R309.2 U50.9
NetR310_2: R310.2 U50.24
NetR311_2: R311.2 U50.7
NetR312_2: R312.2 U50.6
NetR326_1: R326.1 SW2.5
NetR327_1: R327.1 SW2.6
NetR328_1: R328.1 SW2.7
NetR329_1: R329.1 SW2.8
NetTP2_1: TP2.1 U34.43
NetTP3_1: TP3.1 U34.42
NetTP4_1: TP4.1 U34.26
NetTP5_1: TP5.1 U34.27
NetU34_36: U34.36 X2.3
P0_EMMC0_RST_N: R73.1 SD1.12 U15.4
P1_TXRXA_N: J16.10 U31.2
P1_TXRXA_P: J16.11 U31.1
P1_TXRXB_N: J16.5 U31.5
P1_TXRXB_P: J16.4 U31.4
P1_TXRXC_N: J16.2 U31.7
P1_TXRXC_P: J16.3 U31.6
P1_TXRXD_N: J16.9 U31.9
P1_TXRXD_P: J16.8 U31.8
P1_USB0_RST_N: R88.1 U15.5 U22.1
P2_GEM3_RST_N: R210.1 U15.6 U37.1
P2_TXRXA_N: J17.10 U31.13
P2_TXRXA_P: J17.11 U31.12
P2_TXRXB_N: J17.5 U31.16
P2_TXRXB_P: J17.4 U31.15
P2_TXRXC_N: J17.2 U31.18
P2_TXRXC_P: J17.3 U31.17
P2_TXRXD_N: J17.9 U31.21
P2_TXRXD_P: J17.8 U31.20
P3_GEM3_PWDN_N: R242.1 U15.7 U39.44
P3_TXRXA_N: J19.10 U31.25
P3_TXRXA_P: J19.11 U31.24
P3_TXRXB_N: J19.5 U31.27
P3_TXRXB_P: J19.4 U31.26
P3_TXRXC_N: J19.2 U31.29
P3_TXRXC_P: J19.3 U31.28
P3_TXRXD_N: J19.9 U31.32
P3_TXRXD_P: J19.8 U31.31
P4_I2CMUX_INT_N: R51.2 U14.11 U15.9
P4_TXRXA_N: J15.10 U31.35
P4_TXRXA_P: J15.11 U31.34
P4_TXRXB_N: J15.5 U31.38
P4_TXRXB_P: J15.4 U31.37
P4_TXRXC_N: J15.2 U31.40
P4_TXRXC_P: J15.3 U31.39
P4_TXRXD_N: J15.9 U31.43
P4_TXRXD_P: J15.8 U31.42
P5_PMBUS_ALERT_N: R60.2 U15.10
P5_TXRXA_N: J18.10 U31.113
P5_TXRXA_P: J18.11 U31.112
P5_TXRXB_N: J18.5 U31.116
P5_TXRXB_P: J18.4 U31.115
P5_TXRXC_N: J18.2 U31.118
P5_TXRXC_P: J18.3 U31.117
P5_TXRXD_N: J18.9 U31.121
P5_TXRXD_P: J18.8 U31.120
P6_I2CMUX_RST_N: R61.1 U15.11 U16.1
PGND: C128.2 FB10.2 J4.4
PH: U44.10 U44.13 U44.14 U44.15 U44.16 U44.17 U44.18 U44.19 U44.42
  other v3: 25300.37,15527.15 25146.85,15557.85 25177.56,15557.83 25208.27,15557.81 25238.98,15557.8 25269.68,15557.78 25300.39,15557.76 25146.85,15602.15 25177.56,15602.17 25208.27,15602.19 25238.98,15602.2 25269.68,15602.22 25300.39,15602.24 25300.41,15632.85
PL_DDR4_VPP_2V5: C187.2 J25.257 J25.259 R128.2 U29.9 U29.10
PL_DDR4_VPP_2V5_EN: R129.1 U29.5
PL_DDR4_VTERM_0V60_PGOOD: R126.1 U28.9
PL_DDR4_VTERM_EN: R127.1 U28.7
PL_DDR4_VTERM_REFOUT: C194.2 U28.6
PL_DDR4_VTT: C190.2 C191.2 C192.2 C317.2 C318.2 C319.2 J25.258 U1.AA7 U1.G9 U1.R9 U28.3 U28.5
PL_PS_SODIMM_SCL: R2.1 U1.AC12 U2.2
PL_PS_SODIMM_SDA: R3.1 U1.AF10 U2.3
PL_SYSCLK_N: R1.2 U1.AF12 U50.12
PL_SYSCLK_P: R1.1 U1.AE12 U50.11
PME_N: R162.2 U1.B14 U31.93
POR_OVERRIDE: R30.2 R31.1 R32.1 U1.W7
POR_RST_B: D4.2 U9.12
PORT_EXPANDER_SCL: R91.1 U1.A15 U24.22 U25.22
PORT_EXPANDER_SDA: R90.1 U1.B15 U24.23 U25.23
PS_DDR4_VPP_2V5: C173.2 C181.2 FB15.1 J14.257 J14.259 R121.2 U27.9 U27.10
PS_DDR4_VPP_2V5_EN: R122.1 U27.5
PS_DDR4_VTERM_0V60_PGOOD: R119.1 U26.9
PS_DDR4_VTERM_EN: R120.1 U26.7
PS_DDR4_VTERM_REFOUT: C180.2 U26.6
PS_DDR4_VTT: C176.2 C177.2 C178.2 J14.258 U26.3 U26.5
PS_DONE: R12.1 U1.M21 U5.4
PS_ERROR_OUT: Q2.G U1.P17
PS_ERROR_STATUS: Q3.G U1.M20
PS_INIT_B: R10.1 U1.P21
PS_MODE0: R325.1 SW2.1 U1.P19
PS_MODE1: R324.1 SW2.2 U1.P20
PS_MODE2: R323.1 SW2.3 U1.R20
PS_MODE3: R322.1 SW2.4 U1.T20
PS_PADI: C91.1 R27.2 U1.N17 X1.1
PS_PADO: C90.1 R27.1 U1.N18 X1.2
PS_POR_B: R21.2 U1.P16 U7.1 U9.11
PS_POR_B_PB: R19.2 U9.6
PS_PROG_B: C78.1 R8.2 U1.R17
PS_REF_CLK: R17.2 U1.R16
PS_SRST_B: U1.N19 U6.4 U7.2
PS_SRST_B_PB: R20.2 U9.7
PUDC_B: R28.2 R29.1 U1.U7
PVIN_5V: C80.1 C137.2 C380.1 C381.2 C382.2 C383.2 C384.1 C385.1 C397.2 C444.2 C445.2 FB12.1 FB14.1 FB34.1 FB35.1 P2.1 U44.1 U44.3 U44.11 U44.12 U44.39 U44.40
RCLK1: SD2.15 U1.AA13
RCLK2: SD3.15 U1.AE15
RCLK3: SD4.15 U1.E10
RCLK4: SD5.15 U1.J11
RESET_B: U7.4 U16.2 U22.2 U33.2 U37.2
S_RX_N: C428.2 J26.5
S_RX_P: C429.2 J26.6
S_TX_N: C427.2 J26.3
S_TX_P: C426.2 J26.2
SD1CLK: SD2.8 U1.AB15
SD1CMD: SD2.25 U1.AB14
SD1DATA0: SD2.6 U1.AA12
SD1DATA1: SD2.29 U1.Y12
SD1DATA2: SD2.27 U1.W11
SD1DATA3: SD2.10 U1.W12
SD1DATA4: SD2.4 U1.Y13
SD1DATA5: SD2.2 U1.Y14
SD1DATA6: SD2.33 U1.W13
SD1DATA7: SD2.31 U1.W14
SD1RESET: R132.1 SD2.12 U1.AB13
SD2CLK: SD3.8 U1.AG14
SD2CMD: SD3.25 U1.AH14
SD2DATA0: SD3.6 U1.AC13
SD2DATA1: SD3.29 U1.AC14
SD2DATA2: SD3.27 U1.AD14
SD2DATA3: SD3.10 U1.AD15
SD2DATA4: SD3.4 U1.AF13
SD2DATA5: SD3.2 U1.AE13
SD2DATA6: SD3.33 U1.AH13
SD2DATA7: SD3.31 U1.AG13
SD2RESET: R133.1 SD3.12 U1.AE14
SD3CLK: SD4.8 U1.E12
SD3CMD: SD4.25 U1.D11
SD3DATA0: SD4.6 U1.C12
SD3DATA1: SD4.29 U1.D12
SD3DATA2: SD4.27 U1.A11
SD3DATA3: SD4.10 U1.A12
SD3DATA4: SD4.4 U1.A10
SD3DATA5: SD4.2 U1.B11
SD3DATA6: SD4.33 U1.B10
SD3DATA7: SD4.31 U1.C11
SD3RESET: R134.1 SD4.12 U1.D10
SD4CLK: SD5.8 U1.K13
SD4CMD: SD5.25 U1.K12
SD4DATA0: SD5.6 U1.F11
SD4DATA1: SD5.29 U1.F12
SD4DATA2: SD5.27 U1.F10
SD4DATA3: SD5.10 U1.G11
SD4DATA4: SD5.4 U1.H12
SD4DATA5: SD5.2 U1.J12
SD4DATA6: SD5.33 U1.G10
SD4DATA7: SD5.31 U1.H11
SD4RESET: R135.1 SD5.12 U1.J10
SD_CD: R58.2 R62.1 U1.K20
SD_CLK: R57.1 R319.2
SD_CLK_R: B1.5 R57.2 R319.1 U1.L21
SD_CMD: B1.3 R55.1 R318.2
SD_CMD_R: R318.1 U1.M19
SD_D0: B1.7 R314.2
SD_D0_R: R314.1 U1.L20
SD_D1: B1.8 R315.2
SD_D1_R: R315.1 U1.H21
SD_D2: B1.1 R316.2
SD_D2_R: R316.1 U1.J21
SD_D3: B1.2 R317.2
SD_D3_R: R317.1 U1.M18
SD_WP: R63.2 R64.2 U1.J20
SERIRQ: U1.E15 U30.16
SH_GND1: C291.2 P1.F1 P1.F2 P1.F3 P1.F4 R200.2
SOM_RESET_IN_N: C77.2 J1.3 J1.4 R7.2 R14.2 U6.2
SRST_B: R22.2 U6.1 U9.10
SUSCLK: U1.F15 U30.20
SW_RESETN: U31.96 U33.4
SYNCLKO: R167.2 R182.1
SYNCLKO_ZYNQ: R181.2 R182.2 U1.B13
SYSMON_DX_N: J27.1 U1.U12
SYSMON_DX_P: J27.2 U1.U13
SYSMON_V_N: R40.2 R321.1
SYSMON_V_P: R36.2 R320.1
SYSMON_VR_I2C_N: R34.2 R38.1 R39.2
SYSMON_VR_I2C_P: R33.2 R35.2 R37.1
SYSMON_VR_N: C95.2 R39.1 R40.1 U1.T12
SYSMON_VR_P: C95.1 R35.1 R36.1 U1.R13
UDIMM_PS_ZQ: R131.2 U1.U24
USB0_RST_N: U17.27 U22.4
USB3_TX0_N: C129.2 J4.8 U23.5 U23.6
USB3_TX0_P: C130.2 J4.9 U23.4 U23.7
USB_ID: R81.1 U17.23
USB_OTG_CPEN: U17.17 U21.1
USB_OTG_N: B2.2 J4.2 U17.19
USB_OTG_P: B2.1 J4.3 U17.18
USB_UART_D_N: J3.2 U18.4 U19.4
USB_UART_D_P: J3.3 U18.3 U19.3
USB_UART_RXD: U1.H18 U18.21
USB_UART_TXD: U1.H19 U18.20
USB_UART_VBUS: J3.1 R78.1 U19.2
V_N: J27.5 R321.2
V_P: J27.4 R320.2
VCC_INT_PGOOD: R279.1 U43.39 U46.38
VCCO_PSIO: R237.2 R238.2 R239.2 R240.2 R242.2
VCCO_PSIO_PGOOD: R293.1 U46.39 U47.5 U49.38
VDDA_1V8: C439.2 C440.2 R313.2 U50.5
VDDD_1V8: C434.2 C435.2 C436.2 C437.2 C438.2 C442.2 FB42.2 R307.2 R308.2 R310.1 R313.1 U50.10 U50.15 U50.18 U50.21 U50.22 U50.23
VDDHS2V5: C245.2 C246.2 C270.2 FB18.2 U31.72 U31.83
VDDLS1V2: C243.2 C244.2 C269.2 FB17.2 U31.71 U31.84
WL_SDIO_CLK: R185.1 U1.AA11 U34.8
WL_SDIO_CMD: R186.1 U1.AA10 U34.6
WL_SDIO_D0: R187.1 U1.AC11 U34.10
WL_SDIO_D1: R188.1 U1.AB11 U34.11
WL_SDIO_D2: R189.1 U1.AD10 U34.12
WL_SDIO_D3: R190.1 U1.AD11 U34.13
WLAN_EN_SOC: R183.2 U1.AB9 U34.40
WLAN_IRQ: R191.1 U1.AD12 U34.14
XI: C257.2 U31.126 Y1.3
XO: R168.1 U31.125
pads on no net: D8.1 D8.3 D8.4 D8.6 D8.14 J2.12 J2.MH J3. J3.4 J3.Z1 J3.Z2 J3.Z3 J3.Z4 J6.1 J6.8 J8.27 J8.28 J14.MH J14.MP J25.MH J25.MP J26.8 J26.9 P1.7 P1.9 P1.10 P1.12 P1.H1 U1.A5 U1.A25 U1.A26 U1.AB1 U1.AB5 U1.AC1 U1.AC22 U1.AD6 U1.AE4 U1.AE10 U1.AF6 U1.AF7 U1.AF11 U1.AF16 U1.AG10 U1.AG11 U1.AH4 U1.AH10 U1.AH11 U1.AH12 U1.B1 U1.B27 U1.B28 U1.C7 U1.C21 U1.C22 U1.D2 U1.D6 U1.E7 U1.F1 U1.G4 U1.H2 U1.J4 U1.J19 U1.K1 U1.K5 U1.K18 U1.K19 U1.L6 U1.L18 U1.N1 U1.N2 U1.N3 U1.N4 U1.P1 U1.P2 U1.P4 U1.P9 U1.R3 U1.R4 U1.T1 U1.T2 U1.T4 U1.U3 U1.U4 U1.U5 U1.V1 U1.V2 U1.V4 U1.V5 U1.V6 U1.W3 U1.W4 U1.W5 U1.W9 U1.Y1 U1.Y2 U1.Y4 U1.Y5 U1.Y6 U3.2 U9.8 U9.9 U15.12 U17.12 U17.15 U17.16 U17.25 U18.1 U18.10 U18.11 U18.12 U18.13 U18.14 U18.15 U18.17 U18.18 U18.19 U18.22 U18.23 U18.24 U21.4 U21.9 U21.10 U24.1 U25.1 U30.6 U30.13 U30.18 U30.19 U31.50 U31.51 U31.59 U31.60 U31.73 U31.74 U31.78 U31.79 U31.81 U31.82 U31.90 U31.108 U32.3 U34.2 U34.3 U34.4 U34.5 U34.21 U34.22 U34.25 U34.56 U34.57 U34.58 U34.60 U34.62 U36.3 U36.5 U36.6 U36.13 U40.1 U40.2 U40.3 U40.4 U40.5 U40.6 U40.7 U40.8 U40.9 U40.18 U40.19 U40.20 U40.37 U40.40 U40.41 U40.42 U40.45 U40.48 U40.49 U40.50 U40.51 U40.52 U40.53 U40.54 U41.1 U41.2 U41.3 U41.4 U41.5 U41.6 U41.7 U41.8 U41.9 U41.18 U41.19 U41.20 U41.37 U41.40 U41.41 U41.42 U41.45 U41.48 U41.49 U41.50 U41.51 U41.52 U41.53 U41.54 U42.1 U42.2 U42.3 U42.4 U42.5 U42.6 U42.7 U42.8 U42.9 U42.18 U42.19 U42.20 U42.37 U42.40 U42.41 U42.42 U42.45 U42.48 U42.49 U42.50 U42.51 U42.52 U42.53 U42.54 U43.1 U43.2 U43.3 U43.4 U43.5 U43.6 U43.7 U43.8 U43.9 U43.18 U43.19 U43.20 U43.37 U43.40 U43.41 U43.42 U43.45 U43.48 U43.49 U43.50 U43.51 U43.52 U43.53 U43.54 U44.4 U44.5 U44.6 U44.7 U44.9 U44.24 U44.25 U44.30 U46.1 U46.2 U46.3 U46.4 U46.5 U46.6 U46.7 U46.8 U46.9 U46.18 U46.19 U46.20 U46.37 U46.40 U46.41 U46.42 U46.45 U46.48 U46.49 U46.50 U46.51 U46.52 U46.53 U46.54 U49.1 U49.2 U49.3 U49.4 U49.5 U49.6 U49.7 U49.8 U49.9 U49.18 U49.19 U49.20 U49.37 U49.40 U49.41 U49.42 U49.45 U49.48 U49.49 U49.50 U49.51 U49.52 U49.53 U49.54 U50.1 U50.2 U50.3 U50.4

## Text inside footprints (layer, text, board x,y; h text height)
J5: Top Overlay "1" at 14868.62,13907.68 h50 r90; Top Overlay "2" at 14770.2,13899.8 h50 r90
J6: Top Overlay "1" at 14309.13,13855.75 h39.37 r180
J7: Top Overlay "1" at 14509.13,13892.48 h39.37 r180
J9: Top Overlay "1" at 11378.62,13907.68 h50 r90; Top Overlay "2" at 11280.2,13899.8 h50 r90
J10: Top Overlay "1" at 10719.13,13855.75 h39.37 r180
J11: Top Overlay "1" at 10053.62,13907.68 h50 r90; Top Overlay "2" at 9955.2,13899.8 h50 r90
J12: Top Overlay "1" at 10486.26,13858.86 h39.37
J13: Top Overlay "1" at 7508.62,13907.68 h50 r90; Top Overlay "2" at 7410.2,13899.8 h50 r90
J27: Top Overlay "1" at 12171.26,22748.86 h39.37
P1: Mechanical 15 "Connector Edge" at 18755.43,1850.43 h19.68 r90; Mechanical 15 "PCB Edge" at 18714.09,1852.4 h19.68 r90
P2: Top Overlay "1" at 7981.45,1154.96 h39.37
SW1: Mechanical 11 "1" at 12795,5555 h39.37
U31: Mechanical 11 "1" at 35430,5495 h60
U32: Mechanical 11 "1" at 34290,5625 h39.37 r270
U40: Mechanical 13 "Keepout" at 18402.6,14182.52 h27.56 r90
U41: Mechanical 13 "Keepout" at 12632.6,14182.52 h27.56 r90
U42: Mechanical 13 "Keepout" at 18962.6,14792.52 h27.56 r90
U43: Mechanical 13 "Keepout" at 13192.6,14792.52 h27.56 r90
U46: Mechanical 13 "Keepout" at 16822.6,15432.52 h27.56 r90
U49: Mechanical 13 "Keepout" at 12552.6,16042.52 h27.56 r90